# Altium PCB eeg.PcbDoc
Units mil, origin at the board's own origin, x right, y up, seen from the top; angles counter-clockwise.
Board outline 3855.04 x 2952.88 mil, 4 copper layers (Top Layer, Layer 1, Layer 2, Bottom Layer), stack 23.756 mil thick; 97 components, 60 nets, 359 pads, 164 vias.
Unrouted connection lines stored in the file: 28.
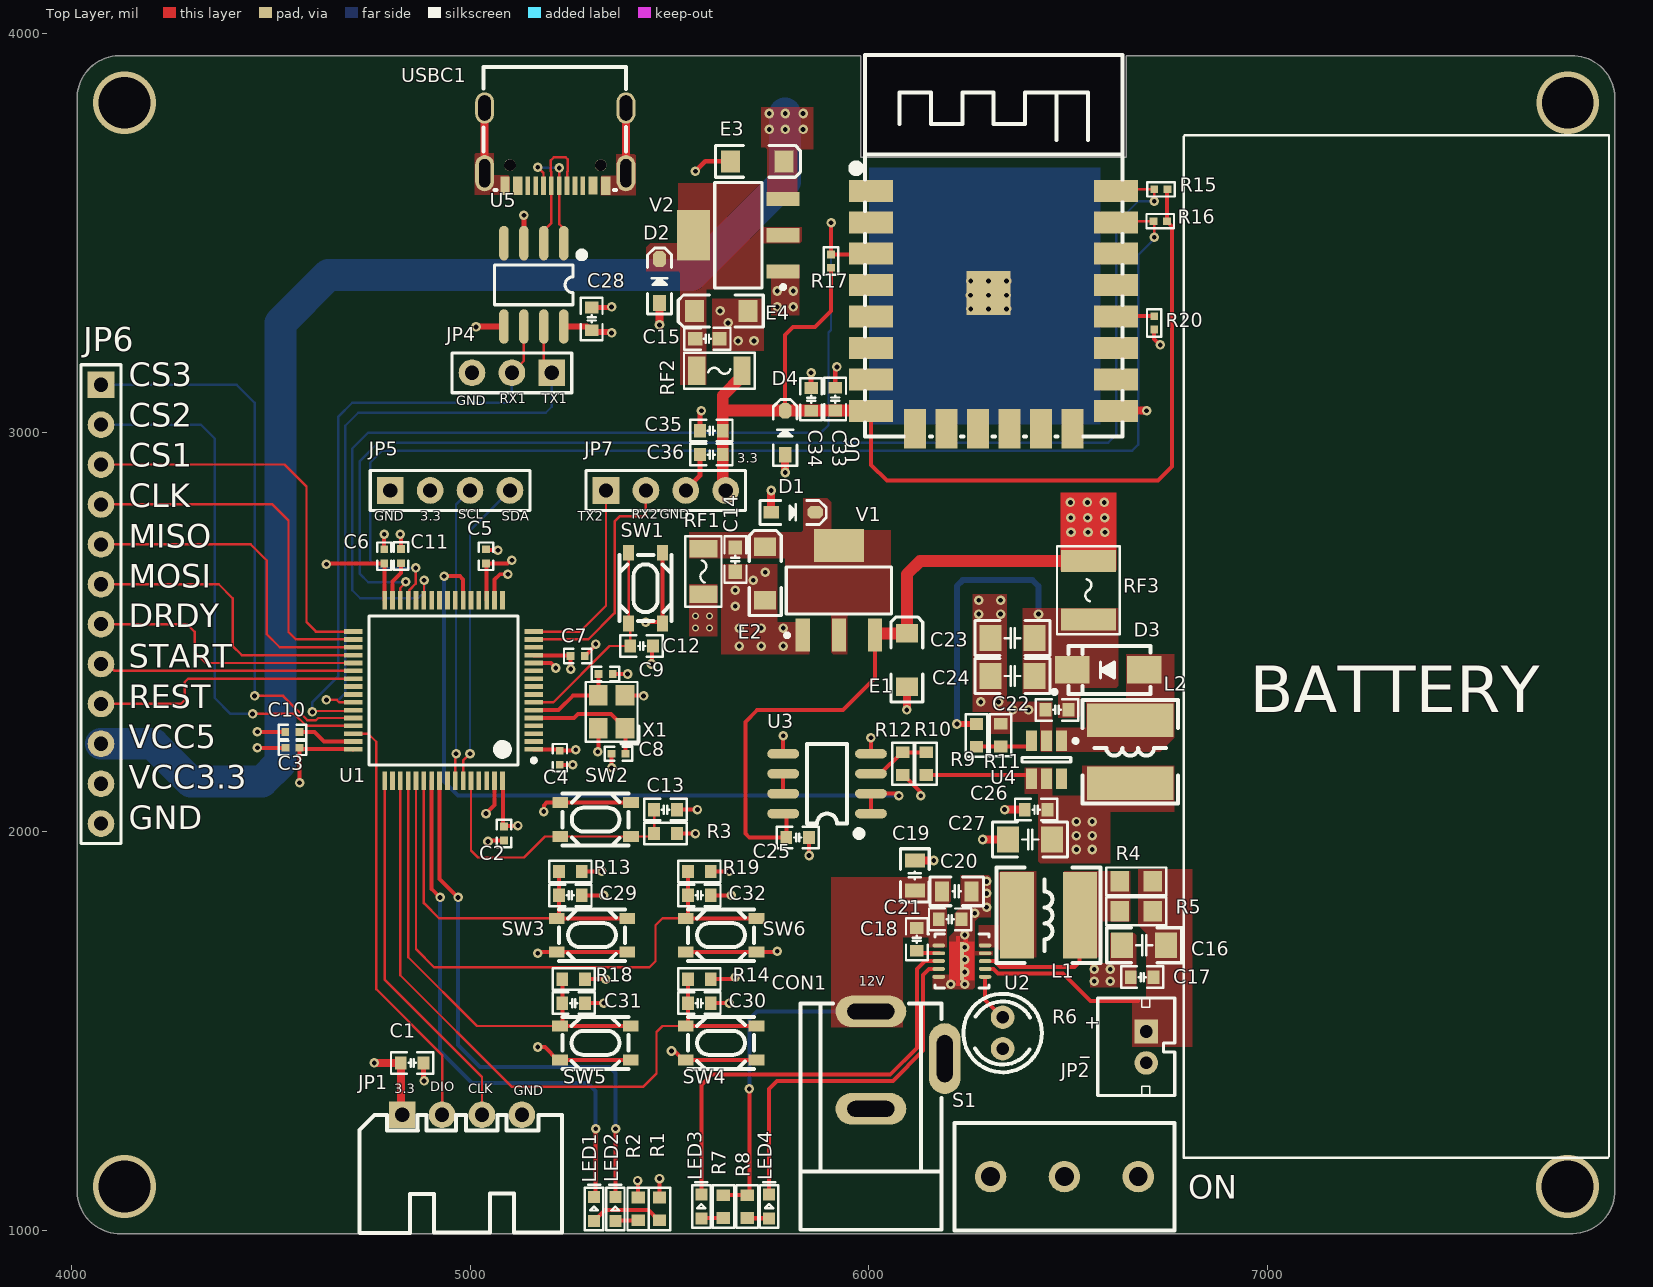
[diagram p0: Top Layer view]
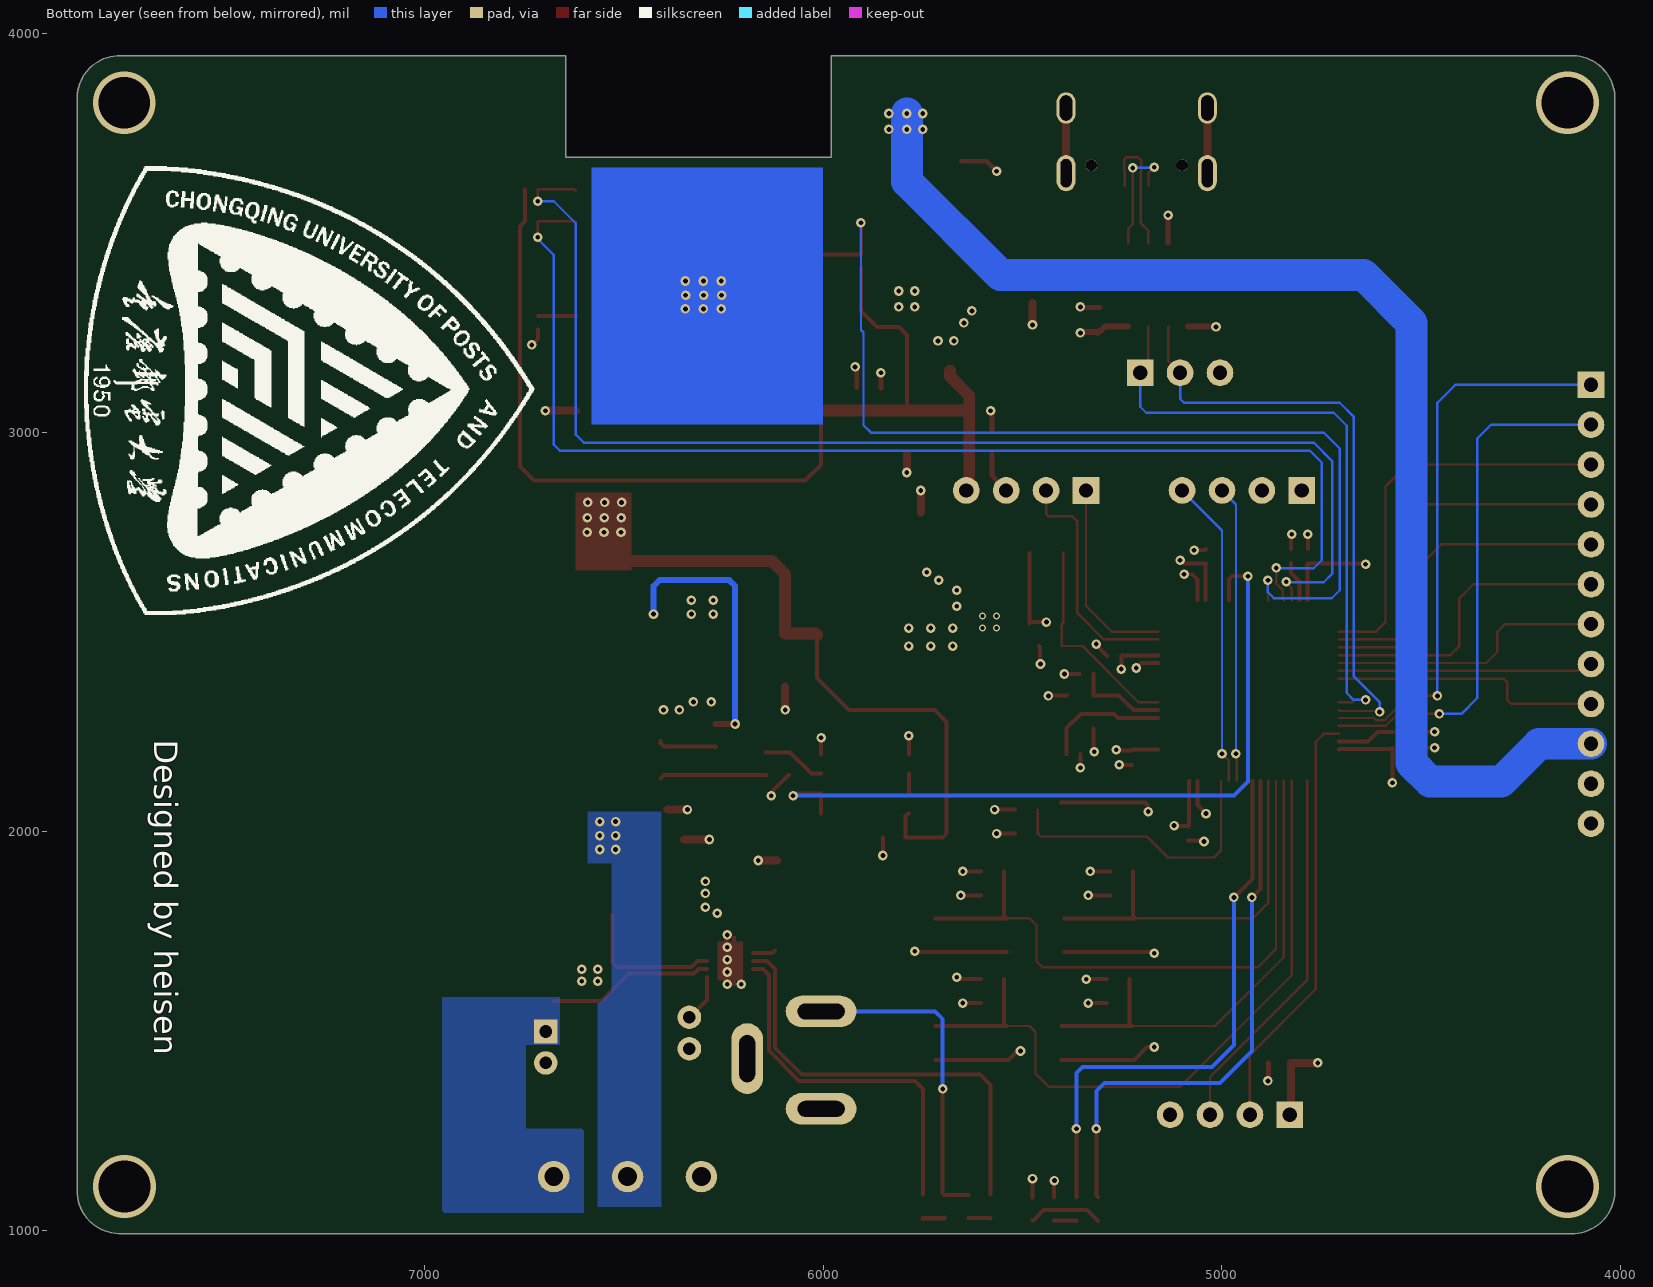
[diagram p1: Bottom Layer view, seen from below]
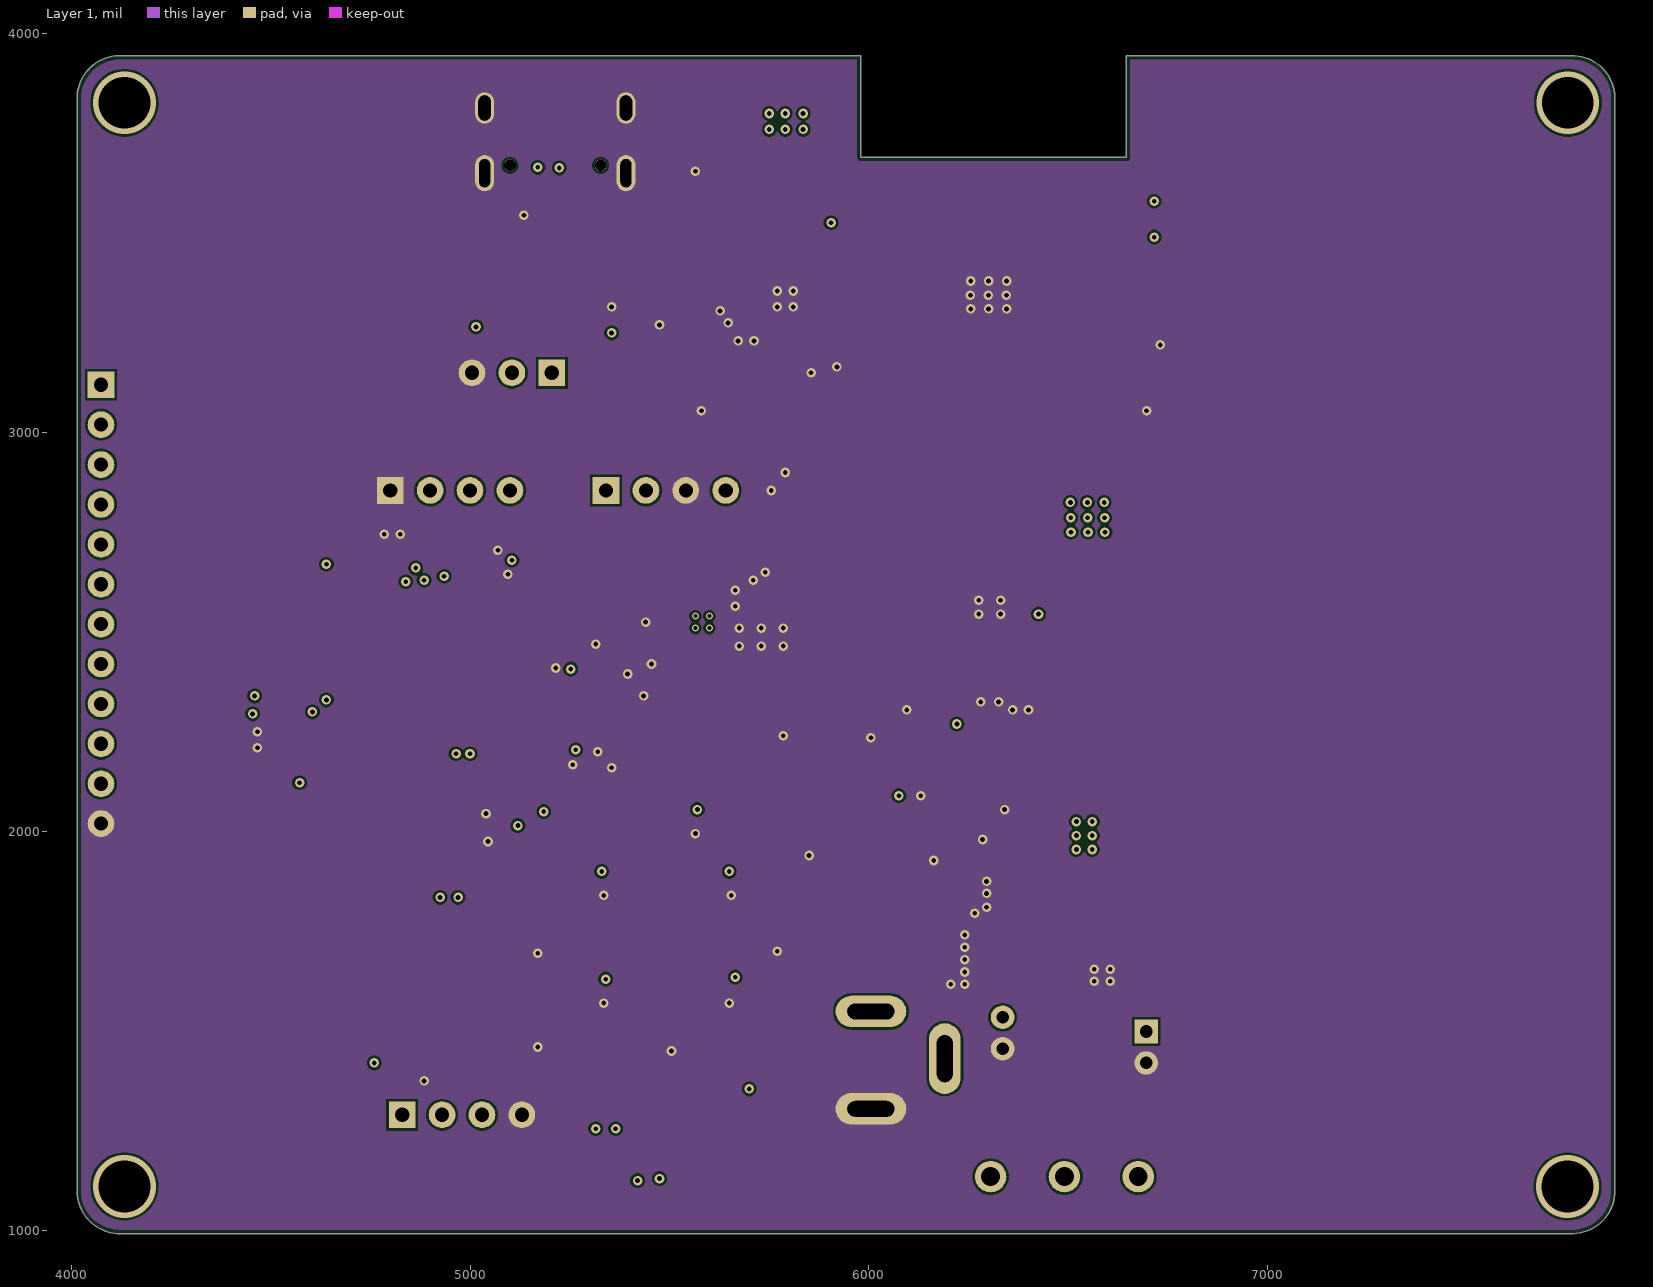
[diagram p2: Layer 1]
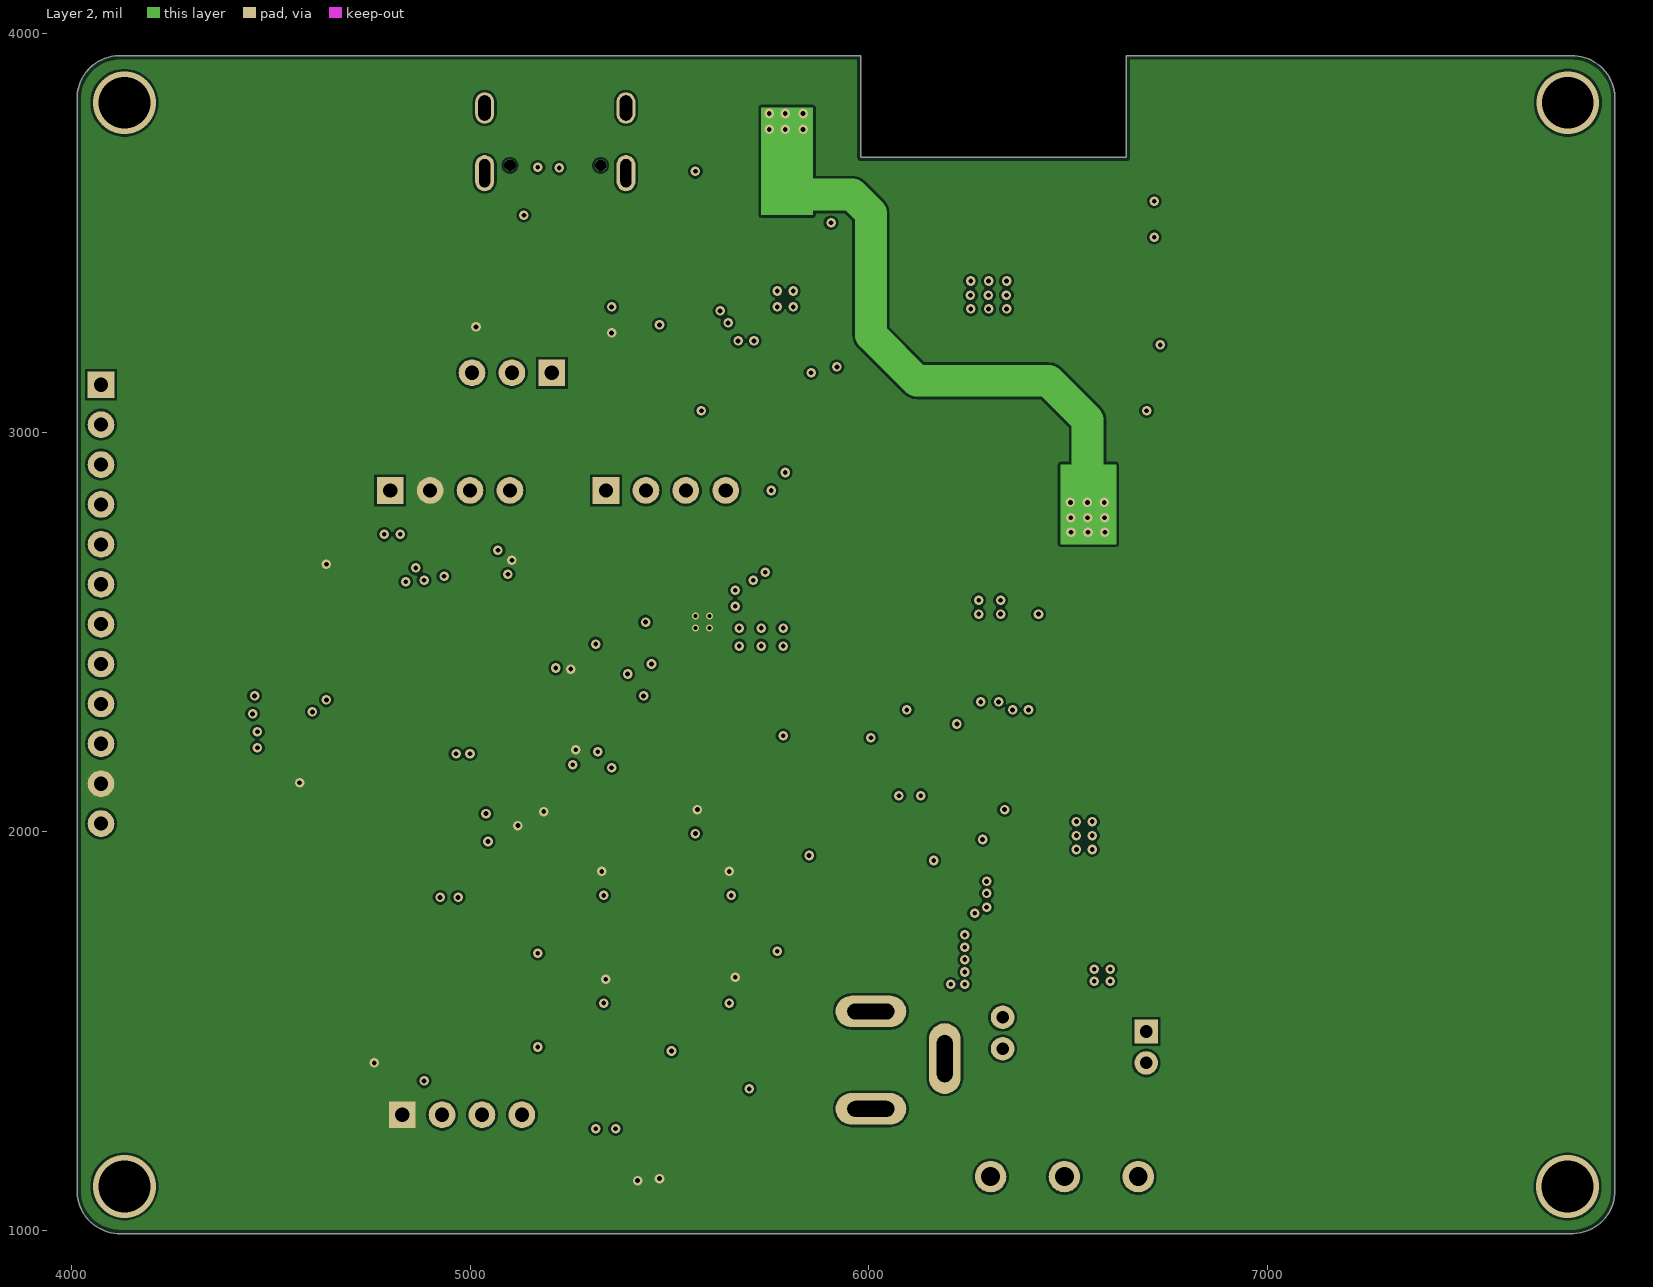
[diagram p3: Layer 2]

## Layer stack, top to bottom
Top Solder: solder mask 0.4, Solder Resist, Dk 3.5
Top Layer: signal copper 1.4
Dielectric 2: prepreg 2.8, PP-006, Dk 4.1
Layer 1: signal copper 1.378
Dielectric 1: dielectric 12.6, FR-4, Dk 4.8
Layer 2: signal copper 1.378
Dielectric 3: prepreg 2.8, PP-006, Dk 4.1
Bottom Layer: signal copper 1.4
Bottom Solder: solder mask 0.4, Solder Resist, Dk 3.5

## Board outline
4014.97,1097.12 4014.97,3834.97 4015,3835 cw(c4122.5,3837.5) 4120,3945 5980,3945 5980,3690 6645,3690 6645,3945 7760,3945 cw(c7762.5,3837.5) 7870,3840 7870,1102.12 cw(c7762.5,1099.62) 7765,992.12 7761.26,992.12 4124.97,992.12 cw(c4122.47,1099.62)

## Design rules (kind name [scope] priority, off if disabled: settings)
AcuteAngle [All] p1: minimum=4.50000000000000E+0001 checktracksonly=FALSE
BoardOutlineClearance [All] p1: gap=0 ignorepadtopadclearanceinfootprint=FALSE except(10: Poly-OutlineEdge Poly-CavityEdge Poly-CutoutEdge Poly-SplitBarrior Poly-SplitContinuation)
Clearance [All] p1: gap=6 ignorepadtopadclearanceinfootprint=FALSE
DiffPairsRouting [All] p1: maxlimit=10 minlimit=6 mostfreqgap=10 toplayer_minwidth=6 toplayer_maxwidth=15 toplayer_prefwidth=10 midlayer1_minwidth=6 midlayer1_maxwidth=15 midlayer1_prefwidth=10 midlayer2_minwidth=6 midlayer2_maxwidth=15 midlayer2_prefwidth=10 bottomlayer_minwidth=6 bottomlayer_maxwidth=15 bottomlayer_prefwidth=10 maxuncoupledlength=500
Length [All] p1: maxlimit=100000 minlimit=0
MatchedLengths DiffPair_MatchedLengths [InDifferentialPair ('D')] p1: tolerance=5 checknetsindiffpair=FALSE checkdiffpairvsdiffpair=TRUE checkxsignals=TRUE checkothers=TRUE
MinimumAnnularRing [All] p1: minimumring=4
MinimumSolderMaskSliver [All] p1: minsoldermaskwidth=3.2
ParallelSegment [All] p1: limit=10000 gap=10
PlaneClearance [All] p1: clearance=10
PlaneConnect [All] p1: planeconnectstyle=Direct reliefexpansion=20 reliefentries=4 reliefconductorwidth=10 reliefairgap=10
PolygonConnect [All] p1: connectstyle=Direct reliefconductorwidth=10 reliefentries=4 polygonreliefangle="90 Angle" airgapwidth=10
RoutingVias [All] p1: holewidth=12 width=20 viastyle="Through Hole" minholewidth=6 minwidth=10 maxholewidth=100 maxwidth=100
SilkToSilkClearance [All] p1: silktosilkclearance=0
SilkToSolderMaskClearance [IsPad] p1: minsilkscreentomaskgap=0 clearancetoexposedcopper=TRUE
SolderMaskExpansion [All] p1: expansion=0 istentingtop=FALSE
StubLength [All] p1: limit=1000
UnRoutedNet [All] p1: checkbadconnections=TRUE
ViasUnderSMD [All] p1: allowed=TRUE
Width POWER [InNetClass('PWR')] p1: maxlimit=200 minlimit=10 preferedwidth=30
Width singal [All] p2: maxlimit=32 minlimit=4 preferedwidth=10
23 further rules are at their usual default settings.

## Classes and differential pairs
net class pwr: VCAP1 VCAP2 VCC3_3 VCC3_3_WIFI VCC5 VCC12_from_dc VCC_BAT
component class power_ic: C14 C15 D1 D2 E1 E2 E3 E4 RF1 RF2 V1 V2
component class power_battery: C16 C17 C18 C19 C20 C21 C22 C23 C24 C25 C26 C27 CON1 D3 JP2 L1 L2 LED3 LED4 R4 R5 R6 R7 R8 R9 R10 R11 R12 RF3 S1 U2 U3 U4
component class mcu: C1 C2 C3 C4 C5 C6 C7 C8 C9 C10 C11 C12 C13 JP1 LED1 LED2 R1 R2 R3 SW1 SW2 U1 X1
component class communication: C28 C29 C30 C31 C32 C33 C34 C35 C36 D4 JP4 JP5 JP6 JP7 R13 R14 R15 R16 R17 R18 R19 R20 SW3 SW4 SW5 SW6 U5 U6 USBC1
differential pair D: +D_P -D_N

## Components (designator, comment, footprint, x,y, rotation, side; value= is the part's Value field where it differs from the comment)
C1 "100nF" C0603_L 4855,1420 r0 top
C2 "100nf" C0402_L 5085,1995 r90 top
C3 "100nf" C0402_L 4555,2210 r0 top
C4 "100nf" C0402_L 5225,2185 r90 top
C5 "100nf" C0402_L 5040,2690 r270 top
C6 "100nf" C0402_L 4785,2690 r270 top
C7 "100nf" C0402_L 5270,2440 r180 top
C8 "18pf" C0402_L 5372.28,2195 r0 top
C9 "18pf" C0402_L 5340,2395 r180 top
C10 "2.2uf" C0402_L 4554.75,2249.6 r0 top
C11 "2.2uf" C0402_L 4826.94,2690.41 r270 top
C12 "100nf" C0603_L 5430,2465 r0 top
C13 "100nf" C0603_L 5490,2055 r0 top
C14 "4.7uF" C0603_M 5665,2681.89 r270 top
C15 "4.7uF" C0603_M 5595,3235 r0 top
C16 "100uf/6.3V" C1206_L 6689.88,1715 r0 top
C17 "100nf" C0603_L 6685,1635 r0 top
C18 "100nf" C0603_L 6120,1730 r90 top
C19 "22uf/25v" C0805_L 6115,1890 r270 top
C20 "22uf/25v" C0805_L 6220,1850 r180 top
C21 "100nf" C0603_L 6203.54,1780 r0 top
C22 "100nf" C0603_L 6471.46,2305 r0 top
C23 "100uf/6.3V" C1206_L 6360,2485 r0 top
C24 "100uf/6.3V" C1206_L 6360,2390 r0 top
C25 "100nf" C0603_L 5821.46,1985 r180 top
C26 "100nf" C0603_L 6419,2055 r0 top
C27 "22uf/25V" C1206_L 6404,1980 r0 top
C28 "100nf" C0603_L 5305,3285 r90 top
C29 "100nf" C0603_L 5251.45,1840 r180 top
C30 "100nf" C0603_L 5575,1570 r180 top
C31 "100nf" C0603_L 5260,1570 r180 top
C32 "100nf" C0603_L 5575,1840 r180 top
C33 "10uf" C0603_L 5915.41,3084.12 r270 top
C34 "100nf" C0603_L 5855,3083.54 r270 top
C35 "10uf" C0603_L 5605,3005 r0 top
C36 "100nf" C0603_L 5605,2945 r0 top
CON1 "3.5*1.3" DC-005 6005,1305 r270 top
D1 "UDD32C03L01" SOD-323 5810,2800 r0 top
D2 "UDD32C03L01" SOD-323 5475,3380 r90 top
D3 "B340A-13-F" SMA 6600,2405 r180 top
D4 "UDD32C03L01" SOD-323 5790,3000 r90 top
E1 "10uF/10V" C_3216 6095,2430 r270 top
E2 "22uF/10V" C_3216 5740,2646.89 r270 top
E3 "10uF/10V" C_3216 5720,3680 r180 top
E4 "22uF/10V" C_3216 5630,3305 r0 top
JP1 "HDR-1X4" XH2.54-WI-4P 4980,1290 r0 top
JP2 "HDR-1X2" PH2.0-L-2P 6695,1459.37 r270 top
JP4 "HDR-1X3" HDR2.54-LI-3P 5105,3150 r180 top
JP5 "HDR-1X4" HDR2.54-M-LI-4P 4950,2855 r0 top
JP6 "HDR-1X12" HDR2.54-M-LI-12P 4075,2570 r270 top
JP7 "HDR-1X4" HDR2.54-M-LI-4P 5490.98,2855 r0 top
L1 "4.7uH" CD53 6450,1790 r0 top
L2 "4.7uH" CD53 6655,2200 r270 top
LED1 "红色" LED0603_Y 5311,1054.07 r90 top
LED2 "红色" LED0603_Y 5364.33,1054.07 r90 top
LED3 "红色" LED0603_Y 5580,1060 r90 top
LED4 "绿色" LED0603_Y 5750,1060 r90 top
R1 "1K" R0603_L 5475,1054.07 r270 top
R2 "1K" R0603_L 5421.67,1054.07 r270 top
R3 "10K" R0603_L 5490,1995 r0 top
R4 "0.05R" R0805_M 6670,1875 r0 top
R5 "0.1R" R0805_M 6670,1800 r0 top
R6 "471K" PK0406 6335,1495 r90 top
R7 "1K" R0603_L 5635,1060 r270 top
R8 "1K" R0603_L 5695,1060 r270 top
R9 "110K" R0603_L 6269.64,2240.98 r90 top
R10 "10K/0.1%" R0603_L 6143.33,2170 r270 top
R11 "15K" R0603_L 6330,2241.46 r270 top
R12 "10K/0.1%" R0603_L 6085,2170 r90 top
R13 "10K" R0603_L 5251.45,1900 r180 top
R14 "10K" R0603_L 5575,1630 r180 top
R15 "4.7K" R0402_L 6731.73,3610 r180 top
R16 "4.7K" R0402_L 6730,3530 r180 top
R17 "10K" R0402_L 5905,3430 r270 top
R18 "10K" R0603_L 5260,1630 r180 top
R19 "10K" R0603_L 5575,1900 r180 top
R20 "33K" R0402_L 6715,3275 r90 top
RF1 "BSMD1206-100-24V" F1206 5585,2651.89 r90 top
RF2 "BSMD1206-100-24V" F1206 5625,3155 r180 top
RF3 "BSMD1812-100-24V" F1812 6550,2605 r90 top
S1 "SS-12F23" SS-12D10 6490,1135 r180 top
SW1 "3*4*2.5" SW-SMD-4.2x3.2_4P 5440,2610 r270 top
SW2 "3*4*2.5" SW-SMD-4.2x3.2_4P 5315,2030 r0 top
SW3 "3*4*2.5" SW-SMD-4.2x3.2_4P 5305.75,1740.2 r0 top
SW4 "3*4*2.5" SW-SMD-4.2x3.2_4P 5629.3,1470.2 r0 top
SW5 "3*4*2.5" SW-SMD-4.2x3.2_4P 5314.3,1470.2 r0 top
SW6 "3*4*2.5" SW-SMD-4.2x3.2_4P 5629.3,1740.2 r0 top
U1 "STM32F405RGT6" TQFP64_V 4933.58,2353.62 r180 top
U2 "SLM6305" DFN10-L3.0-W3.0-P0.5_EP 6233.07,1675.31 r0 top
U3 "LM358_NSC" SOP8_N 5895,2120 r180 top
U4 "MT3608L" SOT23-6M 6445,2180 r270 top
U5 "CH340N" SOIC-8 5160,3370.51 r270 top
U6 "Ai-WB2-12F" ai-wb-12f 5985,2985 r0 top value=2.4GHz
USBC1 "TYPE-C 2.0 -16P" USB-C-SMD_16P 5213.78,3716.25 r0 top
V1 "AMS1117-3V3" SOT223_L 5924.76,2604.35 r0 top
V2 "AMS1117-3V3" SOT223_L 5672.54,3494.76 r90 top
X1 "25MHZ" XTAL-3225-4P 5355,2300 r90 top

## Footprints (in the part's own frame and the unit in brackets; to place one, negate y for a bottom-side part, rotate by r counter-clockwise, add the part's x,y. Pads: shape width x height; smd on the part's side, far side on the other; paste and mask are expansions set on the pad)
ai-wb-12f [mm]
  rect 2.8x1.4 smd: 1(0.526,15.771) 2(0.526,13.771) 3(0.526,11.771) 4(0.526,9.771) 5(0.526,7.771) 6(0.526,5.771) 7(0.526,3.771) 8(0.526,1.771) 9(16.126,1.771) 10(16.126,3.771) 11(16.126,5.771) 12(16.126,7.771) 13(16.126,9.771) 14(16.126,11.771) 15(16.126,13.771) 16(16.126,15.771)
  rect 1.4x2.5 smd: 17(3.326,0.621) 18(5.326,0.621) 19(7.326,0.621) 20(9.326,0.621) 21(11.326,0.621) 22(13.326,0.621)
  rect 2.8x2.8 smd: 23(8.001,9.271)
  silkscreen extent -0.69,0.12 16.53,24.42, body extent 0.34,0.29 16.34,24.29, height 2.51
C0402_L [mm] "贴片MLCC电容"
  rect 0.5x0.5 smd: 1(-0.45,0) 2(0.45,0)
  silkscreen extent -0.87,-0.46 0.88,0.46, body extent -0.5,-0.25 0.5,0.25, height 0.5
C0603_L [mm] "贴片MLCC电容"
  rect 0.75x0.85 smd: 1(-0.725,0) 2(0.725,0)
  silkscreen extent -1.35,-0.69 1.35,0.69, body extent -0.8,-0.4 0.8,0.4, height 0.8
C0603_M [mm] "贴片MLCC电容"
  rect 0.9x0.85 smd: 1(-0.775,0) 2(0.775,0)
  silkscreen extent -1.48,-0.69 1.48,0.71, body extent -0.8,-0.4 0.8,0.4, height 0.8
C0805_L [mil] "贴片MLCC电容"
  rect 35x50 smd: 1(-37.4,0) 2(37.4,0)
  silkscreen extent -67,-36 67,36, body extent -39,-26 39,26, height 51
C1206_L [mm] "贴片MLCC电容"
  rect 1.4x1.65 smd: 1(-1.4,0) 2(1.4,0)
  silkscreen extent -2.39,-1.12 2.39,1.12, body extent -1.6,-0.8 1.6,0.8, height 1.1
C_3216 [mm] "长3.2mm，宽1.6mm，厚1.6mm"
  rect 1.2x1.4 smd: 1(-1.7,0) 2(1.7,0)
  silkscreen extent -2.74,-1.02 2.67,1.02, body extent -1.6,-0.8 1.6,0.8, height 1.63
CD53 [mm] "5.8*5.2*3.5mm（长宽高）        淘宝ID:黄晶宝石"
  rect 2.15x5.5 smd: 1(-2,0) 2(2,0)
  silkscreen extent -3.3,-3.05 3.3,3.05, body extent -2.87,-2.5 2.87,2.5, height 3.6
DC-005 [mm] "DC母座5.5mm"
  oval 2x4.5 hole 1 slot 3 at 90 deg: 1(-6.2,0) 2(0,0)
  oval 4.5x2 hole 1 slot 3 at 0 deg: 3(-3.2,4.7)
  silkscreen extent -6.7,-4.5 7.7,4.5, body extent -6.55,-4.5 7.5,4.8, height 11.25
DFN10-L3.0-W3.0-P0.5_EP [mm] "DFN, 10-Leads, Body 3x3mm, Pitch 0.5mm, Thermal Pad 2.45x1.6mm               联系卖家 免费查找封装"
  oval 0.8x0.25 smd: 1(-1.475,1) 2(-1.475,0.5) 3(-1.475,0) 4(-1.475,-0.5) 5(-1.475,-1) 6(1.475,-1) 7(1.475,-0.5) 8(1.475,0) 9(1.475,0.5) 10(1.475,1)
  rect 0.25x2.45 smd paste+0 mask+0: 11(0,0)
  Top Layer region: -0.8,-1.225 -0.375,-1.225 -0.375,-1.575 -0.125,-1.575 -0.125,-1.225 0.125,-1.225 0.125,-1.575 0.375,-1.575 0.375,-1.225 0.8,-1.225 0.8,1.225 0.375,1.225 0.375,1.575 0.125,1.575 0.125,1.225 -0.125,1.225 -0.125,1.575 -0.375,1.575 -0.375,1.225 -0.8,1.225
  silkscreen extent -2.17,-1.73 1.73,1.77, body extent -1.56,-1.55 1.56,1.55, height 0.8
F1206 [mm] "1206贴片自恢复保险丝(PPTC)   联系卖家 免费查找封装"
  rect 1.1x1.8 smd: 1(-1.445,0) 2(1.445,0)
  silkscreen extent -2.25,-1.15 2.25,1.15, body extent -1.6,-0.85 1.6,0.85, height 0.61
F1812 [mil] "1812贴片自恢复保险丝(PPTC)"
  rect 55.38x137.76 smd: 1(-72.97,0) 2(72.97,0)
  silkscreen extent -110,-79 110,79, body extent -89,-63 89,63, height 41
HDR2.54-LI-3P [mm] "排针，3脚                        联系卖家 免费查找封装"
  rect 1.7x1.7 hole 0.9: 1(-2.54,0)
  round 1.7 hole 0.9: 2(0,0) 3(2.54,0)
  silkscreen extent -3.81,-1.27 3.81,1.27, body extent -3.81,-1.27 3.81,1.27, height 2.54
HDR2.54-M-LI-4P [mm] "排母，4脚"
  rect 1.7x1.7 hole 0.9: 1(-3.81,0)
  round 1.7 hole 0.9: 2(-1.27,0) 3(1.27,0) 4(3.81,0)
  silkscreen extent -5.08,-1.27 5.08,1.27, body extent -5.08,-1.27 5.08,1.27, height 8.5
HDR2.54-M-LI-12P [mm] "排母，12脚"
  rect 1.7x1.7 hole 0.9: 1(-13.97,0)
  round 1.7 hole 0.9: 2(-11.43,0) 3(-8.89,0) 4(-6.35,0) 5(-3.81,0) 6(-1.27,0) 7(1.27,0) 8(3.81,0) 9(6.35,0) 10(8.89,0) 11(11.43,0) 12(13.97,0)